# Altium PCB LAY-94611_B.PcbDoc (part 8 of 16)
Units mil, origin at the board's own origin, x right, y up, seen from the top; angles counter-clockwise.
Board outline 4133.86 x 2559.05 mil, 10 copper layers (TOP, GND02, ART03, PWR04, PWR05, ART06, GND7, ART08, GND09, BOTTOM), stack 57.82 mil thick; 1104 components, 727 nets, 3774 pads, 1630 vias.
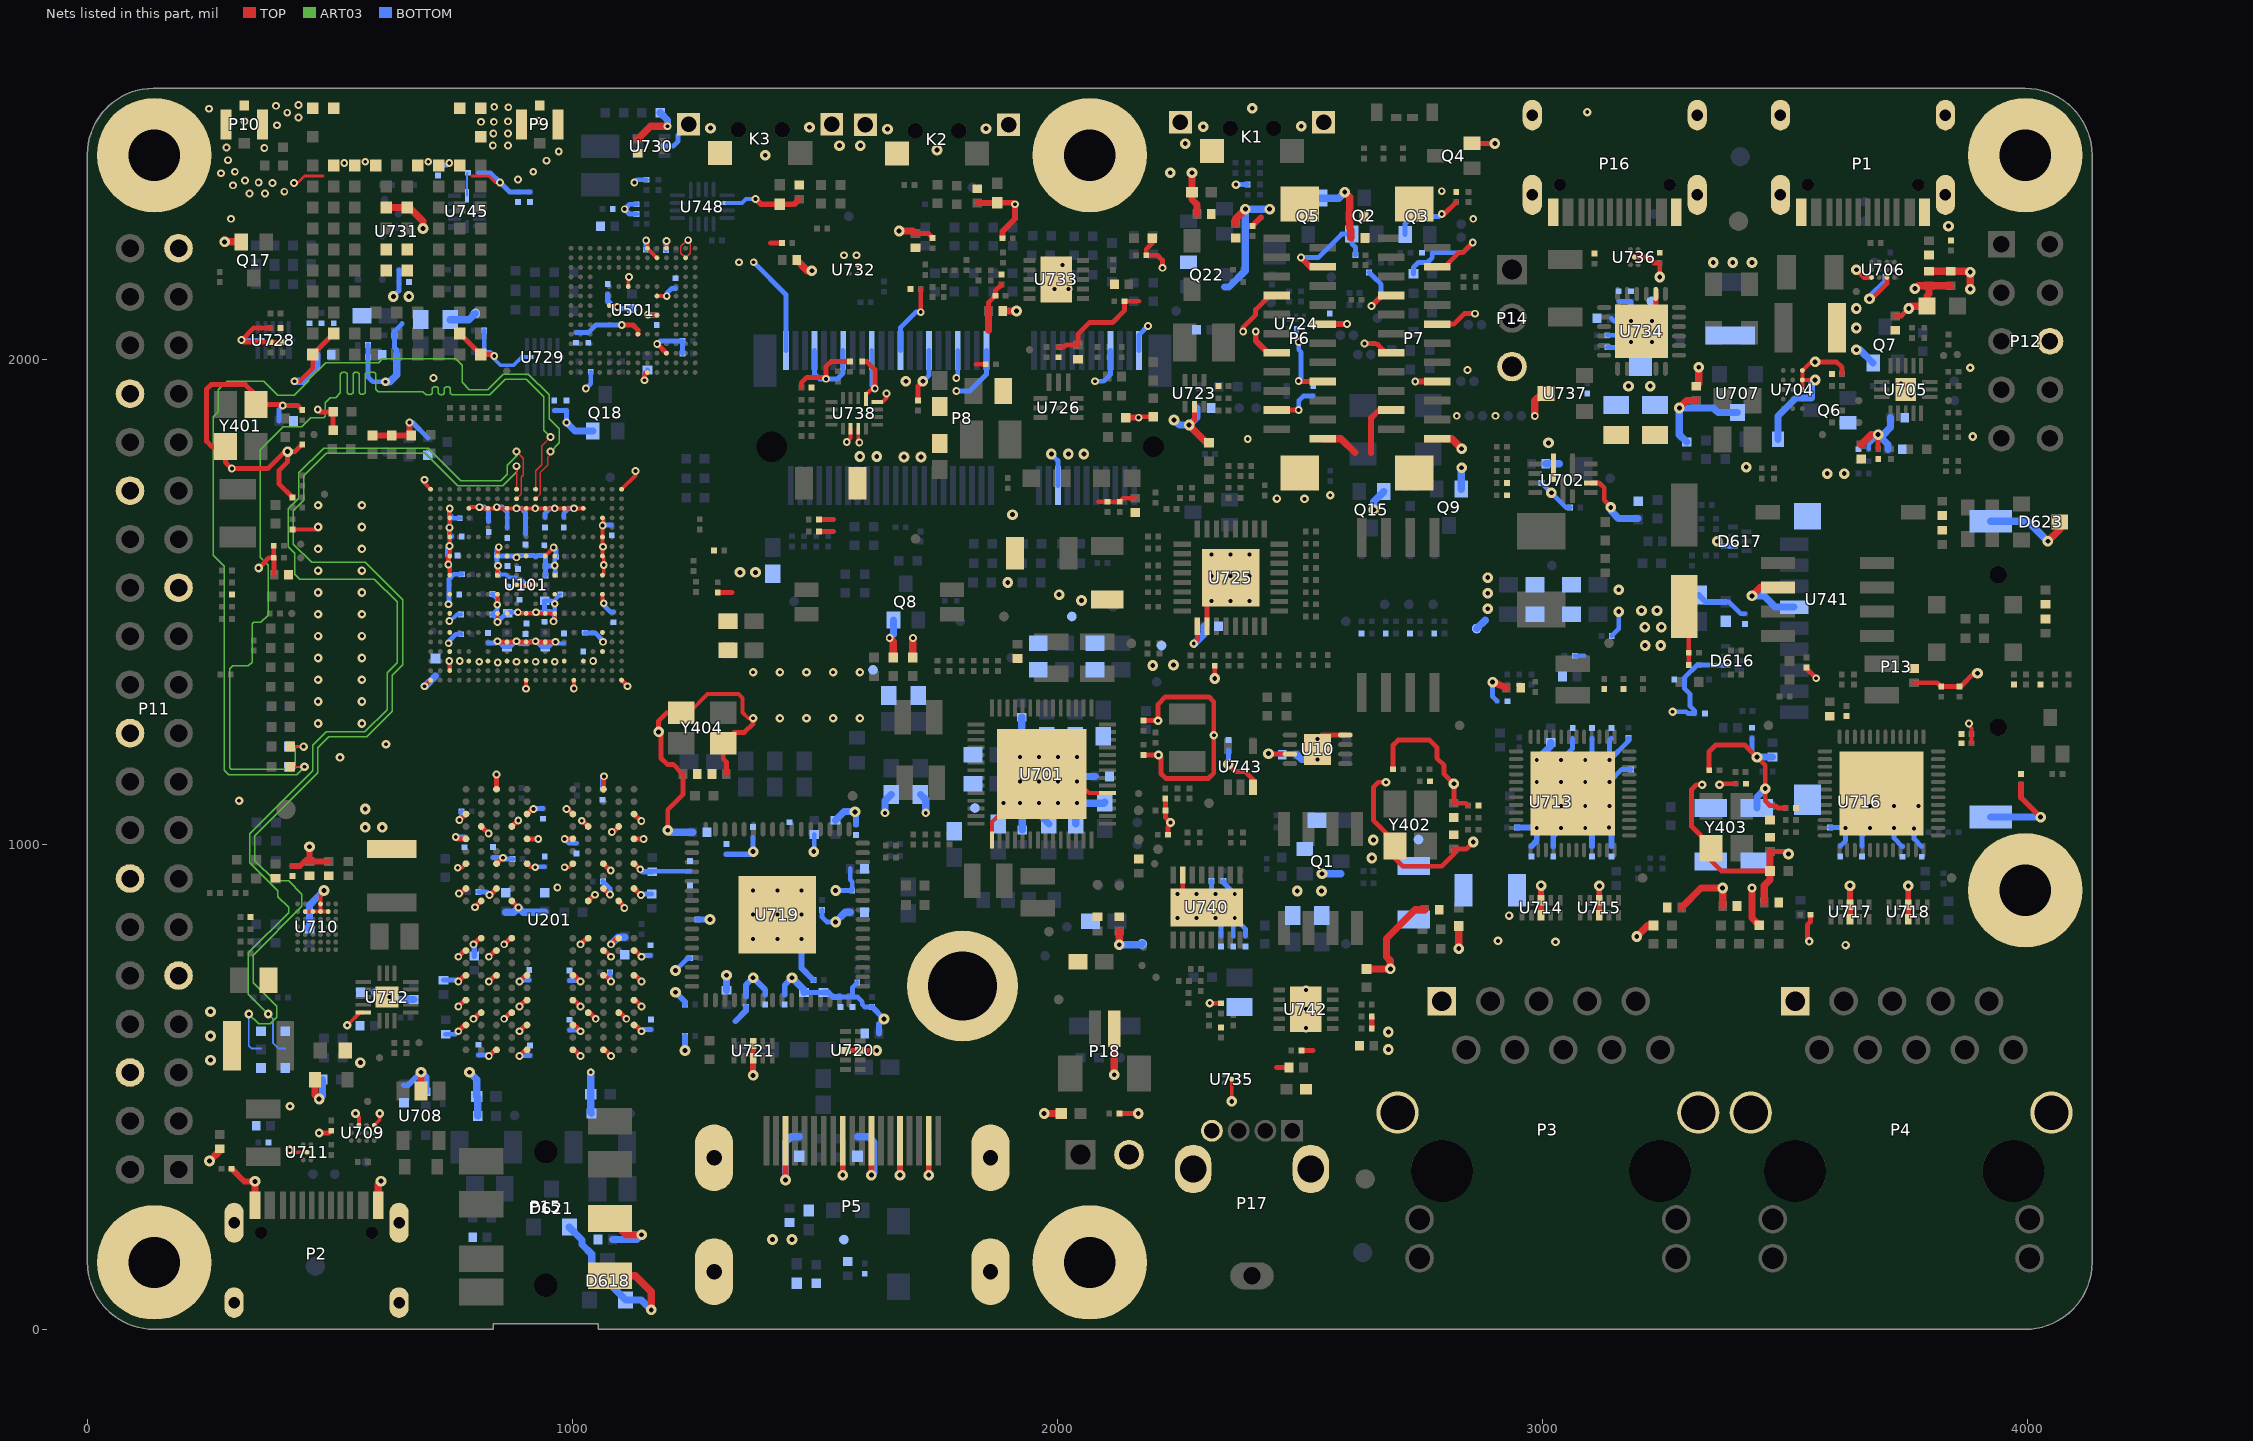
[diagram p16: the nets of this part, all layers, seen from the top]

## Via types
v1: diameter 16/16/0/0/0/0/16/0/16/16 (per signal layer), hole 8, TOP to BOTTOM, tented both sides, 177 vias
v2: diameter 22/22/0/0/0/0/22/0/22/22 (per signal layer), hole 10, TOP to BOTTOM, tented both sides, 156 vias
v3: diameter 16/0/16/0/0/0/0/0/0/16 (per signal layer), hole 8, TOP to BOTTOM, tented both sides, 137 vias
v4: diameter 16/0/0/0/0/16/0/0/0/16 (per signal layer), hole 8, TOP to BOTTOM, tented both sides, 94 vias
v5: diameter 16, hole 8, TOP to BOTTOM, tented both sides, 88 vias
v6: diameter 18/0/0/0/0/0/0/18/0/18 (per signal layer), hole 8, TOP to BOTTOM, tented both sides, 84 vias
v7: diameter 22, hole 10, TOP to BOTTOM, tented both sides, 83 vias
v8: diameter 18, hole 8.1, TOP to BOTTOM, tented both sides, 78 vias
v9: diameter 16/0/0/0/0/0/0/16/0/16 (per signal layer), hole 8, TOP to BOTTOM, tented both sides, 77 vias
v10: diameter 18/18/0/0/0/0/18/0/18/18 (per signal layer), hole 8, TOP to BOTTOM, tented both sides, 62 vias
v11: diameter 18/0/18/0/0/0/0/0/0/18 (per signal layer), hole 8, TOP to BOTTOM, tented both sides, 50 vias
v12: diameter 16/0/0/16/0/0/0/0/0/16 (per signal layer), hole 8, TOP to BOTTOM, tented both sides, 49 vias
v13: diameter 22/0/0/0/22/0/0/0/0/22 (per signal layer), hole 10, TOP to BOTTOM, tented both sides, 49 vias
v14: diameter 22/0/22/0/0/0/0/0/0/22 (per signal layer), hole 10, TOP to BOTTOM, tented both sides, 48 vias
v15: diameter 18, hole 8, TOP to BOTTOM, tented both sides, 47 vias
v16: diameter 16/0/0/0/16/0/0/0/0/16 (per signal layer), hole 8, TOP to BOTTOM, tented both sides, 40 vias
v17: diameter 22/0/0/22/0/0/0/0/0/22 (per signal layer), hole 10, TOP to BOTTOM, tented both sides, 40 vias
v18: diameter 22/0/0/0/0/0/0/22/0/22 (per signal layer), hole 10, TOP to BOTTOM, tented both sides, 31 vias
v19: diameter 22/0/0/0/0/22/0/0/0/22 (per signal layer), hole 10, TOP to BOTTOM, tented both sides, 30 vias
v20: diameter 18/0/0/0/0/18/0/0/0/18 (per signal layer), hole 8, TOP to BOTTOM, tented both sides, 27 vias
v21: diameter 16/16/16/0/0/0/0/0/0/16 (per signal layer), hole 8, TOP to BOTTOM, tented both sides, 24 vias
v22: diameter 16/0/16/0/0/16/0/0/0/16 (per signal layer), hole 8, TOP to BOTTOM, tented both sides, 14 vias
v23: diameter 22/22/0/22/0/0/22/0/22/22 (per signal layer), hole 10, TOP to BOTTOM, tented both sides, 14 vias
v24: diameter 16/16/16/0/0/0/16/0/16/16 (per signal layer), hole 8, TOP to BOTTOM, tented both sides, 11 vias
v25: diameter 18/0/0/0/0/18/0/18/0/18 (per signal layer), hole 8, TOP to BOTTOM, tented both sides, 11 vias
v26: diameter 18/0/0/18/0/0/0/0/0/18 (per signal layer), hole 8, TOP to BOTTOM, tented both sides, 11 vias
v27: diameter 18/0/0/0/18/0/0/0/0/18 (per signal layer), hole 8, TOP to BOTTOM, tented both sides, 10 vias
v28: diameter 16/0/16/0/0/0/0/16/0/16 (per signal layer), hole 8, TOP to BOTTOM, tented both sides, 8 vias
v29: diameter 16/16/0/16/0/0/16/0/16/16 (per signal layer), hole 8, TOP to BOTTOM, tented both sides, 8 vias
v30: diameter 18/18/0/18/0/0/18/0/18/18 (per signal layer), hole 8, TOP to BOTTOM, tented both sides, 6 vias
v31: diameter 22/0/0/0/22/22/0/0/0/22 (per signal layer), hole 10, TOP to BOTTOM, tented both sides, 6 vias
v32: diameter 16/0/16/16/0/0/0/0/0/16 (per signal layer), hole 8, TOP to BOTTOM, tented both sides, 5 vias
v33: diameter 18/18/0/18/18/0/18/0/18/18 (per signal layer), hole 8, TOP to BOTTOM, tented both sides, 5 vias
v34: diameter 16/0/0/0/0/16/0/16/0/16 (per signal layer), hole 8, TOP to BOTTOM, tented both sides, 4 vias
v35: diameter 22/0/22/22/0/0/0/0/0/22 (per signal layer), hole 10, TOP to BOTTOM, tented both sides, 4 vias
v36: diameter 16/0/16/16/0/16/0/0/0/16 (per signal layer), hole 8, TOP to BOTTOM, tented both sides, 3 vias
v37: diameter 22/22/0/0/22/0/22/0/22/22 (per signal layer), hole 10, TOP to BOTTOM, tented both sides, 3 vias
v38: diameter 22/0/0/22/22/22/0/0/0/22 (per signal layer), hole 10, TOP to BOTTOM, tented both sides, 3 vias
v39: diameter 22/0/22/0/0/22/0/0/0/22 (per signal layer), hole 10, TOP to BOTTOM, tented both sides, 3 vias
v40: diameter 22/0/22/0/0/0/0/22/0/22 (per signal layer), hole 10, TOP to BOTTOM, tented both sides, 3 vias
v41: diameter 16/0/16/0/16/0/0/0/0/16 (per signal layer), hole 8, TOP to BOTTOM, tented both sides, 3 vias
v42: diameter 22/22/0/22/22/0/22/0/22/22 (per signal layer), hole 10, TOP to BOTTOM, tented both sides, 2 vias
v43: diameter 18/0/18/0/0/0/0/18/0/18 (per signal layer), hole 8, TOP to BOTTOM, tented both sides, 2 vias
v44: diameter 22/0/0/22/0/22/0/0/0/22 (per signal layer), hole 10, TOP to BOTTOM, tented both sides, 2 vias
v45: diameter 22/0/0/0/0/22/0/22/0/22 (per signal layer), hole 10, TOP to BOTTOM, tented both sides, 2 vias
v46: diameter 22/0/22/0/22/0/0/0/0/22 (per signal layer), hole 10, TOP to BOTTOM, tented both sides, 2 vias
v47: diameter 22/0/0/22/22/0/0/0/0/22 (per signal layer), hole 10, TOP to BOTTOM, tented both sides, 2 vias
v48: diameter 16/0/0/16/0/16/0/0/0/16 (per signal layer), hole 8, TOP to BOTTOM, tented both sides, 1 vias
v49: diameter 18/0/18/0/0/18/0/0/0/18 (per signal layer), hole 8, TOP to BOTTOM, tented both sides, 1 vias
v50: diameter 18/18/0/0/18/0/18/0/18/18 (per signal layer), hole 8, TOP to BOTTOM, tented both sides, 1 vias
v51: diameter 16/16/0/16/16/0/16/0/16/16 (per signal layer), hole 8, TOP to BOTTOM, tented both sides, 1 vias
v52: diameter 18/0/18/0/18/0/0/0/0/18 (per signal layer), hole 8, TOP to BOTTOM, tented both sides, 1 vias
v53: diameter 18/0/0/0/18/18/0/0/0/18 (per signal layer), hole 8, TOP to BOTTOM, tented both sides, 1 vias
v54: diameter 22/0/22/0/22/22/0/22/0/22 (per signal layer), hole 10, TOP to BOTTOM, tented both sides, 1 vias
v55: diameter 22/0/0/0/22/22/0/22/0/22 (per signal layer), hole 10, TOP to BOTTOM, tented both sides, 1 vias
v56: diameter 16/16/16/0/0/0/16/0/0/16 (per signal layer), hole 8, TOP to BOTTOM, tented both sides, 1 vias
v57: diameter 22/0/0/22/0/0/0/22/0/22 (per signal layer), hole 10, TOP to BOTTOM, tented both sides, 1 vias
v58: diameter 16/0/0/0/16/16/0/0/0/16 (per signal layer), hole 8, TOP to BOTTOM, tented both sides, 1 vias
v59: diameter 16/0/0/16/16/0/0/0/0/16 (per signal layer), hole 8, TOP to BOTTOM, tented both sides, 1 vias

## Nets (pads, with @x,y where several pads share a name; then routed paths per layer and width w, separated by ;. In a path a pad name is that pad's centre, name@x,y a point inside that pad or via, vN(x,y) a via of type N, cw(c..) or ccw(c..) an arc to the next point about the centre after c; other vN are vias at no path point) (continued)
GND: BH1.1 BH2.1 BH3.1 BH4.1 BH5.1 BH6.1 BH7.1 C101.2 C102.2 C106.2 C107.2 C108.2 C109.2 C110.2 C111.2 C114.2 C116.2 C117.2 C118.2 C119.2 C124.2 C129.2 C130.2 C131.2 C132.2 C134.2 C135.2 C136.2 C137.2 C138.2 C139.2 C140.2 C141.2 C142.2 C143.2 C144.2 C145.2 C146.2 C147.2 C148.2 C149.2 C151.2 C152.2 C153.2 C154.2 C155.2 C156.2 C201.2 C202.2 C203.2 C204.2 C205.2 C206.2 C207.2 C208.2 C209.2 C210.2 C211.2 C212.2 C213.2 C214.2 C215.2 C216.2 C217.2 C218.2 C219.2 C220.2 C221.2 C222.2 C401.2 C402.2 C403.2 C404.2 C405.2 C501.2 C502.2 C503.2 C504.2 C505.2 C506.2 C507.2 C508.2 C509.2 C701.1 C702.1 C703.2 C704.2 C705.2 C706.2 C707.2 C708.2 C709.1 C710.2 C711.2 C712.1 C713.1 C714.2 C715.2 C716.2 C717.2 C718.1 C719.2 C720.2 C721.1 C722.2 C723.2 C724.1 C725.2 C726.2 C727.2 C728.2 C729.2 C730.2 C731.2 C810.2 C813.2 C814.2 C815.1 C817.2 C818.2 C820.2 C821.2 C823.2 C824.2 C825.2 C826.2 C827.2 C828.2 C829.2 C830.2 C831.2 C832.2 C833.2 C834.2 C835.2 C836.2 C837.2 C839.2 C840.2 C842.2 C843.2 C844.2 C845.1 C846.2 C847.1 C848.2 C849.2 C850.2 C851.2 C852.2 C853.2 C854.1 C855.2 C856.1 C857.2 C858.2 C859.2 C860.2 C861.2 C862.2 C863.2 C864.2 C865.2 C866.2 C867.2 C868.2 C869.2 C870.2 C871.2 C872.2 C873.2 C874.2 C875.2 C876.2 C877.2 C878.2 C879.2 C880.2 C881.2 C882.2 C883.2 C884.2 C885.2 C886.2 C887.2 C888.2 C889.2 C890.2 C891.2 C892.2 C893.2 C894.2 C895.2 C896.2 C897.2 C898.2 C899.2 C900.2 C901.2 C902.2 C903.2 C904.2 C905.2 C906.2 C907.2 C908.2 C909.2 C910.2 C911.2 C912.2 C913.2 C914.1 C915.1 C916.2 C917.2 C918.2 C919.2 C920.2 C921.2 C922.2 C923.2 C924.2 C925.2 C926.2 C927.2 C928.2 C930.2 C931.2 C932.2 C934.2 C935.2 C936.2 C937.2 C938.2 C939.2 C940.2 C941.2 C942.2 C943.2 C944.2 C945.2 C946.2 C947.2 C948.2 C949.2 C950.2 C951.2 C952.2 C953.2 C954.2 C955.2 C956.2 C957.2 C958.2 C959.2 C960.2 C961.2 C962.2 C963.2 C964.2 C965.2 C966.2 C967.2 C968.2 C969.2 C970.2 C971.2 C972.2 C973.2 C976.2 C977.2 C978.2 C979.2 C980.2 C981.2 C982.2 C983.2 C984.2 C985.2 C986.2 C987.2 C990.2 C993.2 C994.2 C995.2 C996.2 C997.2 C998.2 C999.2 C1000.2 C1001.2 C1005.2 C1006.2 C1007.1 C1008.2 C1009.2 C1010.2 C1011.2 C1012.2 C1013.2 C1015.2 C1016.2 C1017.2 C1018.2 C1021.2 C1022.2 C1023.2 C1024.2 C1025.2 C1026.2 C1027.2 C1028.2 C1029.2 C1030.2 C1031.2 C1032.2 C1033.2 C1034.2 C1035.2 C1036.2 C1037.1 C1038.2 C1041.2 C1042.2 C1043.2 C1044.2 C1047.2 C1048.1 C1049.1 D601.C D602.2 D603.A D604.2 D605.2 D608.A D609.2 D610.2 D611.2 D612.2 D615.2 D616.2 D617.2 D618.1 D619.2 D620.2 D621.1 D623.3 D626.2 D628.2 K1.1 K1.2 K1.4 K2.1 K2.2 K2.4 K3.1 K3.2 K3.4 P1.A1 P1.A12 P1.B1 P1.B12 P1.E1 P1.E2 P1.E3 P1.E4 P2.A1 P2.A12 P2.B1 P2.B12 P2.E1 P2.E2 P2.E3 P2.E4 P3.1 P4.1 P5.2 P5.5 P5.8 P5.11 P5.17 P5.20 P5.21 P5.22 P5.23 P6.1 P6.4 P6.7 P6.10 P6.13 P6.16 P6.19 P6.23 P6.24 P7.1 P7.4 P7.7 P7.10 P7.13 P7.16 P7.19 P7.23 P7.24 P8.1 P8.7 P8.18 P8.33 P8.39 P8.45 P8.51 P8.57 P8.63 P8.69 P8.75 P9.2 P9.3 P9.4 P10.2 P10.3 P10.4 P11.6 P11.9 P11.14 P11.20 P11.25 P11.30 P11.34 P11.39 P12.6 P13.6 P13.10 P13.11 P13.12 P13.13 P14.3 P15.1 P15.2 P16.A1 P16.A12 P16.B1 P16.B12 P16.E1 P16.E2 P16.E3 P16.E4 P17.4 P17.5 P17.6 P18.2 P19.2 Q1.2 Q2.2 Q3.2 Q4.2 Q5.2 Q6.2 Q7.2 Q8.2 Q9.2 Q15.2 Q17.2 Q18.2 Q22.2 R201.2 R204.2 R207.1 R208.1 R302.1 R303.2 R305.2 R403.2 R415.2 R416.2 R417.2 R418.2 R718.2 R812.2 R822.1 R2588.2 R2591.2 R2592.2 R2593.2 R2594.2 R2596.2 R2603.2 R2606.2 R2624.2 R2625.2 R2626.2 R2628.2 R2635.2 R2637.2 R2653.2 R2654.2 R2655.2 R2678.2 R2684.2 R2685.2 R2687.2 R2689.2 R2690.2 R2692.2 R2693.2 R2694.2 R2695.2 R2698.2 R2704.2 R2705.2 R2708.2 R2709.2 R2711.2 R2712.2 R2714.2 R2715.2 R2716.2 R2717.2 R2724.2 R2727.2 R2733.1 R2736.2 R2768.2 R2783.2 R2784.2 R2876.2 R2883.2 R2884.2 R2885.2 R2889.2 R2890.2 R2911.2 R2913.2 R2914.2 R2915.2 R2917.2 R2919.2 R2932.2 R2936.1 R2937.1 R2946.2 R2956.2 R2960.2 R2965.2 R2966.2 R2980.1 R2981.1 R3015.2 R3019.2 R3026.1 R3041.1 R3042.1 R3043.1 TP918.1 TP1028.1 TP1029.1 TP1032.1 TP1043.1 TP1049.1 TP1056.1 TP1059.1 TP1066.1 TP1067.1 TP1078.1 U10.4 U10.7 U10.9 U101.A1 U101.A21 U101.AA1 U101.AA21 U101.C2 U101.C4 U101.C6 U101.C8 U101.C10 U101.C12 U101.C14 U101.C16 U101.C18 U101.E3 U101.E19 U101.G3 U101.G19 U101.H8 U101.H10 U101.H12 U101.H14 U101.J3 U101.J5 U101.J8 U101.J14 U101.J19 U101.K11 U101.L1 U101.L3 U101.L5 U101.L8 U101.L14 U101.L19 U101.M11 U101.N3 U101.N5 U101.N8 U101.N14 U101.N19 U101.P8 U101.P10 U101.P12 U101.P14 U101.R3 U101.R19 U101.T1 U101.U3 U101.U19 U101.W4 U101.W6 U101.W10 U101.W12 U101.W14 U101.W16 U101.W18 U201.A3 U201.A10 U201.AB3 U201.AB5 U201.AB8 U201.AB10 U201.C1 U201.C5 U201.C8 U201.C12 U201.D2 U201.D4 U201.D9 U201.D11 U201.E1 U201.E5 U201.E8 U201.E12 U201.G1 U201.G3 U201.G5 U201.G8 U201.G10 U201.G12 U201.J1 U201.J3 U201.J10 U201.J12 U201.K2 U201.K4 U201.K9 U201.K11 U201.N2 U201.N4 U201.N9 U201.N11 U201.P1 U201.P3 U201.P10 U201.P12 U201.T1 U201.T3 U201.T5 U201.T8 U201.T10 U201.T12 U201.V1 U201.V5 U201.V8 U201.V12 U201.W2 U201.W4 U201.W9 U201.W11 U201.Y1 U201.Y5 U201.Y8 U201.Y12 U501.A6 U501.C4 U501.E7 U501.G5 U501.H10 U501.J5 U501.K8 U501.N2 U501.N5 U501.P4 U501.P6 U701.5 U701.43 U701.57 U702.2 U702.10 U704.C3 U704.D3 U704.E3 U705.17 U706.B3 U706.D3 U707.3 U708.2 U709.B3 U709.D3 U710.A4 U710.B2 U710.B3 U710.B4 U710.B5 U711.B1 U712.5 U712.17 U713.49 U714.3 U714.8 U715.3 U715.8 U716.49 U717.3 U717.8 U718.3 U718.8 U719.65 U720.3 U720.8 U721.3 U721.8 U723.2 U724.2 U725.25 U725.26 U725.33 U726.10 U728.6 U729.6 U730.2 U731.A1 U731.A9 U731.B2 U731.B8 U731.E4 U731.E5 U731.F4 U731.F5 U731.H4 U731.H5 U731.K2 U731.K3 U731.K4 U731.K6 U731.K7 U731.K8 U731.L1 U731.M1 U731.M2 U731.M8 U731.M9 U732.B1 U733.11 U734.2 U734.25 U735.B1 U736.B1 U737.3 U738.1 U738.10 U738.11 U738.16 U740.7 U740.17 U741.2 U742.11 U743.3 U745.6 U748.6 Y401.2 Y401.4 Y402.2 Y403.2 Y404.2 Y404.4 | length 26562
  TOP w3: 1223.66,2219.3 1223.66,2233.05 1236.66,2246.05 v1(1238.77,2246.05) 1243.1,2241.72 1243.1,2219.16 U501.N2@1233.45,2209.51 1223.66,2219.3
  TOP w6: v24(425.8,2364) 433,2364 447.29,2378.29 486.09,2378.29 ; 793.36,2378.29 827.72,2378.29 841,2365.01 v1(850.8,2365.01)
  TOP w8: v10(416.8,370) 421.8,365 U711.B1@452.8,365 ; C402.2@422.8,1649.49 470.84,1649.49 v10(475.8,1654.45) ; U710.B2@449.18,861.5 U710.B3@464.93,861.5 U710.B4@480.67,861.5 ; v42(487.8,905) 480.67,897.87 U710.A4@480.67,877.24 U710.B4@480.67,861.5 ; U710.B5@496.42,861.5 U710.B4@480.67,861.5 ; v10(535.8,627) 562.3,653.5 U712.5@568.59,653.5 ; v10(552.8,445) 559.93,437.87 U709.B3@559.93,420.75 ; U709.D3@591.42,420.75 602.8,432.13 v10(602.8,445) ; v1(694.8,1752) 694.8,1745.29 U101.A21@707.75,1732.34 ; v1(695.28,1326.17) U101.A1@707.75,1338.64 ; v1(763.67,951.86) 772.27,951.86 U201.G1@780.57,960.16 ; U101.E19@786.49,1692.97 788.91,1695.39 v1(808.72,1695.39) 811.14,1692.97 U101.G19@825.86,1692.97 841.69,1692.97 v1(844.11,1695.39) 846.53,1692.97 U101.J19@865.23,1692.97 v1(884.87,1692.97) U101.L19@904.6,1692.97 v1(923.49,1692.97) U101.N19@943.97,1692.97 v1(963.57,1692.97) U101.R19@983.34,1692.97 v1(1003.26,1692.97) U101.U19@1022.71,1692.97 ; v1(845.13,1494.14) 845.54,1494.55 U101.H10@845.54,1515.8 ; v1(845.54,1458.74) U101.H8@845.54,1476.43 ; U101.H12@845.54,1555.18 845.54,1573.01 846.46,1573.93 v1(846.46,1574.6) ; U101.H14@845.54,1594.55 845.54,1610.15 v1(848.28,1612.89) ; U101.K11@884.91,1535.49 908.36,1535.49 v1(908.55,1535.3) 908.74,1535.49 U101.M11@924.28,1535.49 ; v1(887.51,1478.74) 889.82,1476.43 U101.L8@904.6,1476.43 922.61,1476.43 v1(924.96,1478.78) 927.31,1476.43 U101.N8@943.97,1476.43 U101.P8@963.65,1476.43 963.65,1462.43 v1(961.22,1460) ; v1(904.6,1320.94) U101.L1@904.6,1338.64 ; U201.G5@906.56,960.16 913.95,952.77 v1(923.5,952.77) ; U101.N14@943.97,1594.55 v1(961.38,1611.96) ; v1(984.1,952.77) 993.65,952.77 U201.G8@1001.04,960.16 ; v1(1003.03,1321.32) U101.T1@1003.02,1338.64 ; U101.W10@1062.08,1515.8 1062.08,1500.05 1062.19,1499.94 1062.19,1499.83 v1(1064.79,1497.23) ; U101.W12@1062.08,1555.18 1064.79,1557.89 v1(1064.79,1575.87) 1064.79,1591.84 U101.W14@1062.08,1594.55 1062.08,1611.65 1063.33,1612.9 v1(1063.33,1613.68) 1062.08,1614.93 U101.W16@1062.08,1633.92 1062.08,1651.32 1062.43,1651.67 v1(1062.43,1657.82) 1064.33,1659.72 1064.33,1671.04 U101.W18@1062.08,1673.29 ; U501.H10@1075.97,2111.08 1090.17,2111.08 v1(1093.13,2108.12) ; U101.AA21@1101.45,1732.34 1130.01,1760.9 v1(1130.01,1770) ; U501.K8@1115.34,2150.45 1115.34,2168.64 v1(1116.62,2169.92) ; v1(1152.18,2245.2) 1154.71,2242.67 U501.P6@1154.71,2229.19 U501.N5@1174.39,2209.51 ; U501.J5@1174.39,2130.77 1194.43,2130.77 v1(1194.68,2130.52) ; U501.P4@1194.08,2229.19 v1(1194.08,2244.19) ; Y404.2@1224.49,1271.5 1240.29,1271.5 1278.79,1310 1342.8,1310 1350.8,1302 1350.8,1272 1362.8,1260 v10(1372.8,1260) ; v1(1565.8,1830) 1565.86,1830 1573.86,1838 U738.10@1573.86,1857.44 ; U738.11@1589.61,1857.44 1589.61,1831.19 v1(1591.8,1829) ; U738.1@1605.36,1918.46 1605.36,1927.56 1617.8,1940 v1(1623.8,1940) ; U738.16@1628.98,1912.56 1639.8,1912.56 1647.8,1920.56 v1(1647.8,1930) ; U701.43@1865.44,1009.17 1865.44,1046.36 1889.08,1070 v8(1889.08,1085) ; v8(2040.91,1130) 2065.28,1105.63 U701.5@2103.63,1105.63 ; v2(2359.8,470) U735.B1@2359.8,516 ; U704.C3@3536.49,1938 U704.D3@3536.49,1957.69 ; v2(3562.8,1957.69) U704.D3@3536.49,1957.69 ; v2(3562.8,1995) 3554.12,1995 U704.E3@3536.49,1977.37 U704.D3@3536.49,1957.69 ; v1(3880,1249.5) 3880,1245 3885.51,1239.49 3885.51,1227.5 3885.51,1208.5
  TOP w10: v10(353.05,1569.76) 374.29,1591 C818.2@384.29,1591 ; 377.29,2065 342.8,2065 v1(317.8,2040) 322.29,2035.51 C935.2@377.8,2035.51 C936.2@402.8,2035.51 ; C817.2@384.29,1616 C818.2@384.29,1591 ; 385.04,1556 385.04,1590.25 C818.2@384.29,1591 ; C401.2@422.8,1715.51 395.31,1743 395.31,1771.51 412.8,1789 v2(412.8,1810) ; v1(426.8,1955) 437.8,1955 464.57,1981.77 U731.A9@464.57,2010.16 U731.B8@507.88,2053.46 ; C403.2@442.8,1824.49 442.29,1824.49 427.8,1810 v2(412.8,1810) ; C404.2@442.8,1895.51 433.31,1905 v1(402.8,1905) 401.8,1905 399.83,1906.97 Y401.2@347.51,1906.97 347.51,1926.29 325.8,1948 254.8,1948 245.8,1939 245.8,1831 256.45,1820.35 Y401.4@284.51,1820.35 284.51,1788.29 v1(297.8,1775) 371.8,1775 406.8,1810 v2(412.8,1810) ; v1(474.8,1897) 479.84,1891.96 R415.2@506.6,1891.96 R418.2@506.6,1853.96 ; v10(477.8,405) 498.31,405 C852.2@502.8,409.49 ; v1(746.12,1378.01) 747.12,1377.01 U101.C2@747.12,1358.32 ; U101.C12@747.12,1555.18 747.12,1574.85 746.69,1574.85 v1(744.26,1577.28) 744.86,1577.88 744.86,1592.29 U101.C14@747.12,1594.55 747.12,1614.54 v1(746.49,1615.17) 747.12,1615.8 U101.C16@747.12,1633.92 747.12,1653.16 v1(746.49,1653.16) 747.12,1653.79 U101.C18@747.12,1673.29 v1(747.12,1692.81) ; v1(759.39,1015.04) 763.09,1011.34 U201.E1@780.57,1011.34 ; v1(764.8,614.6) 777.68,627.48 U201.Y1@780.57,627.48 ; v1(764.8,665.8) 777.66,678.66 U201.V1@780.57,678.66 ; v1(764.8,717) 777.64,729.84 U201.T1@780.57,729.84 ; v1(764.8,768.2) 777.62,781.02 U201.P1@780.57,781.02 ; v1(766.22,898.88) 770.47,898.88 U201.J1@780.57,908.98 ; v1(766.85,1050.08) 768.13,1050.08 U201.C1@780.57,1062.52 ; U731.B2@767.72,2053.46 U731.A1@811.03,2010.16 831.64,2010.16 834.8,2007 v1(838.8,2007) ; v1(796.3,640.2) 809.17,653.07 U201.W2@812.07,653.07 ; v1(796.3,793.8) 809.11,806.61 U201.N2@812.07,806.61 ; v1(798.94,870.26) U201.K2@812.07,883.39 ; U201.D2@812.07,1036.93 826.43,1022.57 v1(827.4,1022.57) ; v1(827.8,563.4) 840.7,576.3 U201.AB3@843.56,576.3 ; v1(827.8,717) 840.64,729.84 U201.T3@843.56,729.84 ; v1(827.8,768.2) 840.62,781.02 U201.P3@843.56,781.02 ; v1(829.02,895.64) 830.22,895.64 U201.J3@843.56,908.98 ; U201.G3@843.56,960.16 855.74,972.34 v1(857.02,972.34) ; U201.A3@843.56,1113.7 843.56,1144.05 v1(843.61,1144.1) ; v1(845.54,1418.78) 846.94,1417.38 U101.J5@865.23,1417.38 883.51,1417.38 v1(884.91,1418.78) 886.31,1417.38 U101.L5@904.6,1417.38 922.88,1417.38 v1(924.28,1418.78) 925.68,1417.38 U101.N5@943.97,1417.38 962.25,1417.38 962.49,1417.62 v1(965.33,1417.62) ; v1(859.3,640.2) 872.17,653.07 U201.W4@875.06,653.07 ; v1(859.3,793.8) 872.11,806.61 U201.N4@875.06,806.61 ; U201.K4@875.06,883.39 v1(888.76,869.69) ; U201.D4@875.06,1036.93 887.18,1049.05 v1(888.46,1049.05) ; v1(890.8,563.4) 903.7,576.3 U201.AB5@906.56,576.3 ; v1(890.8,614.6) 903.68,627.48 U201.Y5@906.56,627.48 ; v1(890.8,665.8) 903.66,678.66 U201.V5@906.56,678.66 ; v1(890.8,717) 903.64,729.84 U201.T5@906.56,729.84 ; U201.E5@906.56,1011.34 929.65,1011.34 v1(929.69,1011.3) ; U201.C5@906.56,1062.52 916.95,1072.91 v1(920.03,1072.91) ; v1(984.04,1011.34) U201.E8@1001.04,1011.34 ; v1(987.73,1073.1) 990.46,1073.1 U201.C8@1001.04,1062.52 ; U201.AB8@1001.04,576.3 1003.9,576.3 v1(1016.8,563.4) ; U201.Y8@1001.04,627.48 1003.92,627.48 v1(1016.8,614.6) ; U201.V8@1001.04,678.66 1003.94,678.66 v1(1016.8,665.8) ; U201.T8@1001.04,729.84 1003.96,729.84 v1(1016.8,717) ; v1(1016.8,793.8) 1029.61,806.61 U201.N9@1032.54,806.61 ; v1(1019.36,1048.83) 1020.64,1048.83 U201.D9@1032.54,1036.93 ; U201.W9@1032.54,653.07 1035.43,653.07 v1(1048.3,640.2) ; U201.K9@1032.54,883.39 1045.23,896.08 v1(1046.49,896.08) ; U201.AB10@1064.04,576.3 1066.9,576.3 v1(1079.8,563.4) ; U201.T10@1064.04,729.84 1066.96,729.84 v1(1079.8,717) ; U201.P10@1064.04,781.02 1066.98,781.02 v1(1079.8,768.2) ; U201.J10@1064.04,908.98 1076.13,896.89 v1(1077.41,896.89) ; U201.G10@1064.04,960.16 1078.03,946.17 v1(1079.09,946.17) ; U201.A10@1064.04,1113.7 1064.04,1139.16 v1(1065.12,1140.24) ; v1(1079.8,793.8) 1092.61,806.61 U201.N11@1095.53,806.61 ; v1(1081.35,1025.34) 1083.94,1025.34 U201.D11@1095.53,1036.93 ; U201.W11@1095.53,653.07 1098.43,653.07 v1(1111.3,640.2) ; U201.K11@1095.53,883.39 1107.14,871.78 v1(1107.14,868.9) ; U101.AA1@1101.45,1338.64 v1(1113.92,1326.17) ; v1(1101.8,2071) 1125.02,2071 1135.02,2061 U501.E7@1135.02,2052.03 ; U201.Y12@1127.03,627.48 1129.92,627.48 v1(1142.8,614.6) ; U201.V12@1127.03,678.66 1129.94,678.66 v1(1142.8,665.8) ; U201.T12@1127.03,729.84 1129.96,729.84 v1(1142.8,717) ; U201.P12@1127.03,781.02 1129.98,781.02 v1(1142.8,768.2) ; U201.J12@1127.03,908.98 1140.19,895.82 v1(1141.4,895.82) ; U201.G12@1127.03,960.16 1138.65,948.54 v1(1139.91,948.54) ; U201.E12@1127.03,1011.34 v1(1146.95,1011.34) ; U201.C12@1127.03,1062.52 1141.13,1048.42 v1(1142.17,1048.42) ; v1(1148.66,1957) 1148.66,1967.24 U501.A6@1154.71,1973.29 ; v1(1156.02,2092.96) 1157.58,2091.4 U501.G5@1174.39,2091.4 ; v1(1174.88,2032.03) 1194.08,2012.83 U501.C4@1194.08,2012.66 ; v2(1196.8,1029) 1196.8,1071 1228.04,1102.24 1228.04,1145 1208.04,1165 1195.8,1165 1182.8,1178 1182.8,1227 v2(1177.8,1232) 1177.8,1255 1194.3,1271.5 Y404.2@1224.49,1271.5 ; C810.2@1299.8,1519.49 1329.29,1519.49 ; 1317.56,1145 1317.56,1170.24 1311.11,1176.69 Y404.4@1311.11,1208.5 1333.61,1231 1354.8,1231 1372.8,1249 v10(1372.8,1260) ; 1408.8,2240 C967.2@1432.29,2240 ; 1472.29,1942 1472.29,1951.79 1483.5,1963 1519.8,1963 v1(1522.8,1960) 1522.8,1985 1533.31,1995.51 C998.2@1572.8,1995.51 ; C945.2@1508.31,1645 1538.44,1645 ; C946.2@1508.31,1670 1538.44,1670 ; U720.3@1563.31,575 U720.8@1593.63,575 v2(1627.8,575) ; C999.2@1597.8,1995.51 1607.29,1995.51 1623.8,1979 v1(1623.8,1940) ; 1707.8,2259.76 1733.55,2259.76 C969.2@1742.8,2250.51 ; C932.2@1712.8,1915.51 1712.8,1945 v2(1722.8,1955) ; v1(1718.31,2097.51) 1718.31,2145 ; 1831.8,1990 C927.2@1852.29,1990 ; 1858.04,2100 1858.04,2117.25 C979.2@1872.29,2131.5 1872.29,2141.8 1884.98,2154.49 ; 2002.8,2025.51 2013.32,2025.51 2017.57,2029.76 2042.8,2029.76 2042.8,2053 2065.8,2076 2113.8,2076 2138.31,2100.51 C977.2@2138.31,2120 2168.8,2120 ; 2085.31,1706.51 C944.2@2103.8,1706.51 C943.2@2128.8,1706.51 2136.05,1713.76 2160.8,1713.76 ; C1037.1@2128.31,445 v2(2166.8,445) ; v1(2167.8,1880) 2169.6,1881.8 R2736.2@2197.84,1881.8 ; C716.2@2177.8,1184.49 v10(2208.8,1184.49) 2213.8,1179.49 2213.8,1146 2223.8,1136 2311.8,1136 2322.8,1147 v10(2322.8,1225) 2322.8,1294 2312.8,1304 2222.8,1304 2207.8,1289 v10(2207.8,1255) 2197.79,1255 2197.28,1255.51 C717.2@2177.8,1255.51 ; R2890.2@2196,2250.04 2196,2240.21 2183.31,2227.52 C980.2@2183.31,2215 2206.72,2215 2216.72,2205 v1(2216.72,2188.98) ; C813.2@2222.8,1094.49 2222.8,1070.51 C727.2@2223.31,1070 2223.31,1055 v10(2233.31,1045) 2233.31,1040.51 2228.31,1035.51 C728.2@2228.31,1020 ; v8(2247.8,898) 2258.59,908.79 U740.7@2258.59,936.93 ; v2(2271.8,1865) 2272.8,1865 2282.8,1875 U723.2@2282.8,1902.44 ; v10(2281.43,1414) 2288.9,1421.47 U725.25@2288.9,1449.61 ; U725.26@2308.59,1449.61 2308.59,1493.05 v8(2317.8,1502.26) ; v10(2314.31,672.51) C1032.2@2337.8,672.51 ; v2(2324.8,1342) C926.2@2324.8,1368.49 ; v2(2352.8,1165.5) 2368.3,1150 2387.8,1150 2403.4,1134.4 U743.3@2403.4,1117.5 ; v1(2383.26,2057.85) 2383.26,2066.25 2409,2091.99 2409,2102.7 2438.18,2131.88 P6.16@2452.76,2131.88 ; v2(2435.64,1187.16) 2436.64,1186.16 U10.7@2479.71,1186.16 ; 2451.8,540 C1029.2@2478.04,540 ; P6.4@2452.76,1895.66 v1(2497.8,1895.66) ; v1(2497.8,1955.51) 2498.59,1954.72 P6.7@2547.24,1954.72 ; C1030.2@2503.31,575 2503.56,575.25 2527.8,575.25 ; v8(2536.8,1217) 2545.33,1225.53 U10.4@2593.89,1225.53 ; v1(2633.3,2033) 2655.41,2033 2661.2,2030.6 2678.03,2013.77 P7.10@2688.98,2013.77 ; v10(2677.8,1128) 2661.8,1128 2651.8,1118 2651.8,1049.99 2696.3,1005.49 Y402.2@2696.3,996.69 2696.3,971.5 2712.8,955 2792.8,955 2817.8,980 2817.8,990.24 2843.04,990.24 v2(2857.8,1005) ; C868.2@2692.29,1155 2692.29,1204.49 2702.8,1215 2767.8,1215 2782.8,1200 2782.8,1178 2797.8,1163 2797.8,1145 v2(2817.8,1125) 2817.8,1084.76 2842.53,1084.76 2847.29,1080 ; P7.13@2783.46,2072.83 2817.63,2072.83 2839.3,2094.5 v29(2861.3,2094.5) ; P7.19@2783.46,2190.94 2798.94,2190.94 2828,2220 2835.8,2220 v29(2856.8,2241) ; v29(2792.8,2300) 2798.31,2300 2822.8,2324.49 ; Q4.2@2855.27,2445.5 v23(2902.3,2445.5) ; U702.10@3099.89,1745.16 3117.64,1745.16 3127.8,1735 3127.8,1710 3141.3,1696.5 v2(3141.3,1695) ; U736.B1@3189.8,2211 3218.79,2211 3230.81,2198.98 3242.29,2198.98 v23(3242.29,2170) ; v8(3226.45,2079.65) 3234.33,2087.53 U734.2@3234.33,2135.26 ; C1005.2@3302.29,1370 C1006.2@3302.29,1395 C842.2@3302.29,1485 ; v10(3329.8,1123) 3317.8,1123 3307.8,1113 3307.8,1036.99 3348.3,996.49 Y403.2@3348.3,991.69 3348.3,966.5 3369.84,944.96 R2705.2@3469.6,944.96 ; C882.2@3344.29,1153 3344.29,1191.49 3357.8,1205 3417.8,1205 v2(3442.8,1180) 3460,1162.8 v2(3460,1115) 3460,1089.56 3469.8,1079.76 3481.04,1079.76 3485.8,1075 3502.29,1075 ; v10(3365.8,1123) 3367.8,1125 3399.29,1125 ; 3469.8,985.24 3502.56,985.24 v2(3507.8,980) ; C1008.2@3545,1364.49 3545,1362.5 v1(3565,1342.5) ; v10(3550.8,800) 3546.8,804 3546.8,834.01 3553.31,840.52 C881.2@3553.31,855 ; v2(3562.8,1995) 3606.8,1995 3618.31,1983.49 3618.31,1970 ; v2(3647.8,2185) 3663.55,2169.25 U706.D3@3679.18,2169.25 ; v2(3675,2125) 3679.51,2125 3710.67,2156.16 U706.B3@3710.67,2169.25 ; 3692.8,1815.51 v2(3692.8,1845) ; 3727.8,2089.76 3740.76,2089.76 v2(3756,2105) ; 3766.8,1333.24 3814.56,1333.24 3822.29,1325.51 C874.2@3822.8,1325.51 C873.2@3860.8,1325.51 3862.8,1325.51 3890.29,1353 v2(3897.8,1353)